# KiCad board Panel.kicad_pcb
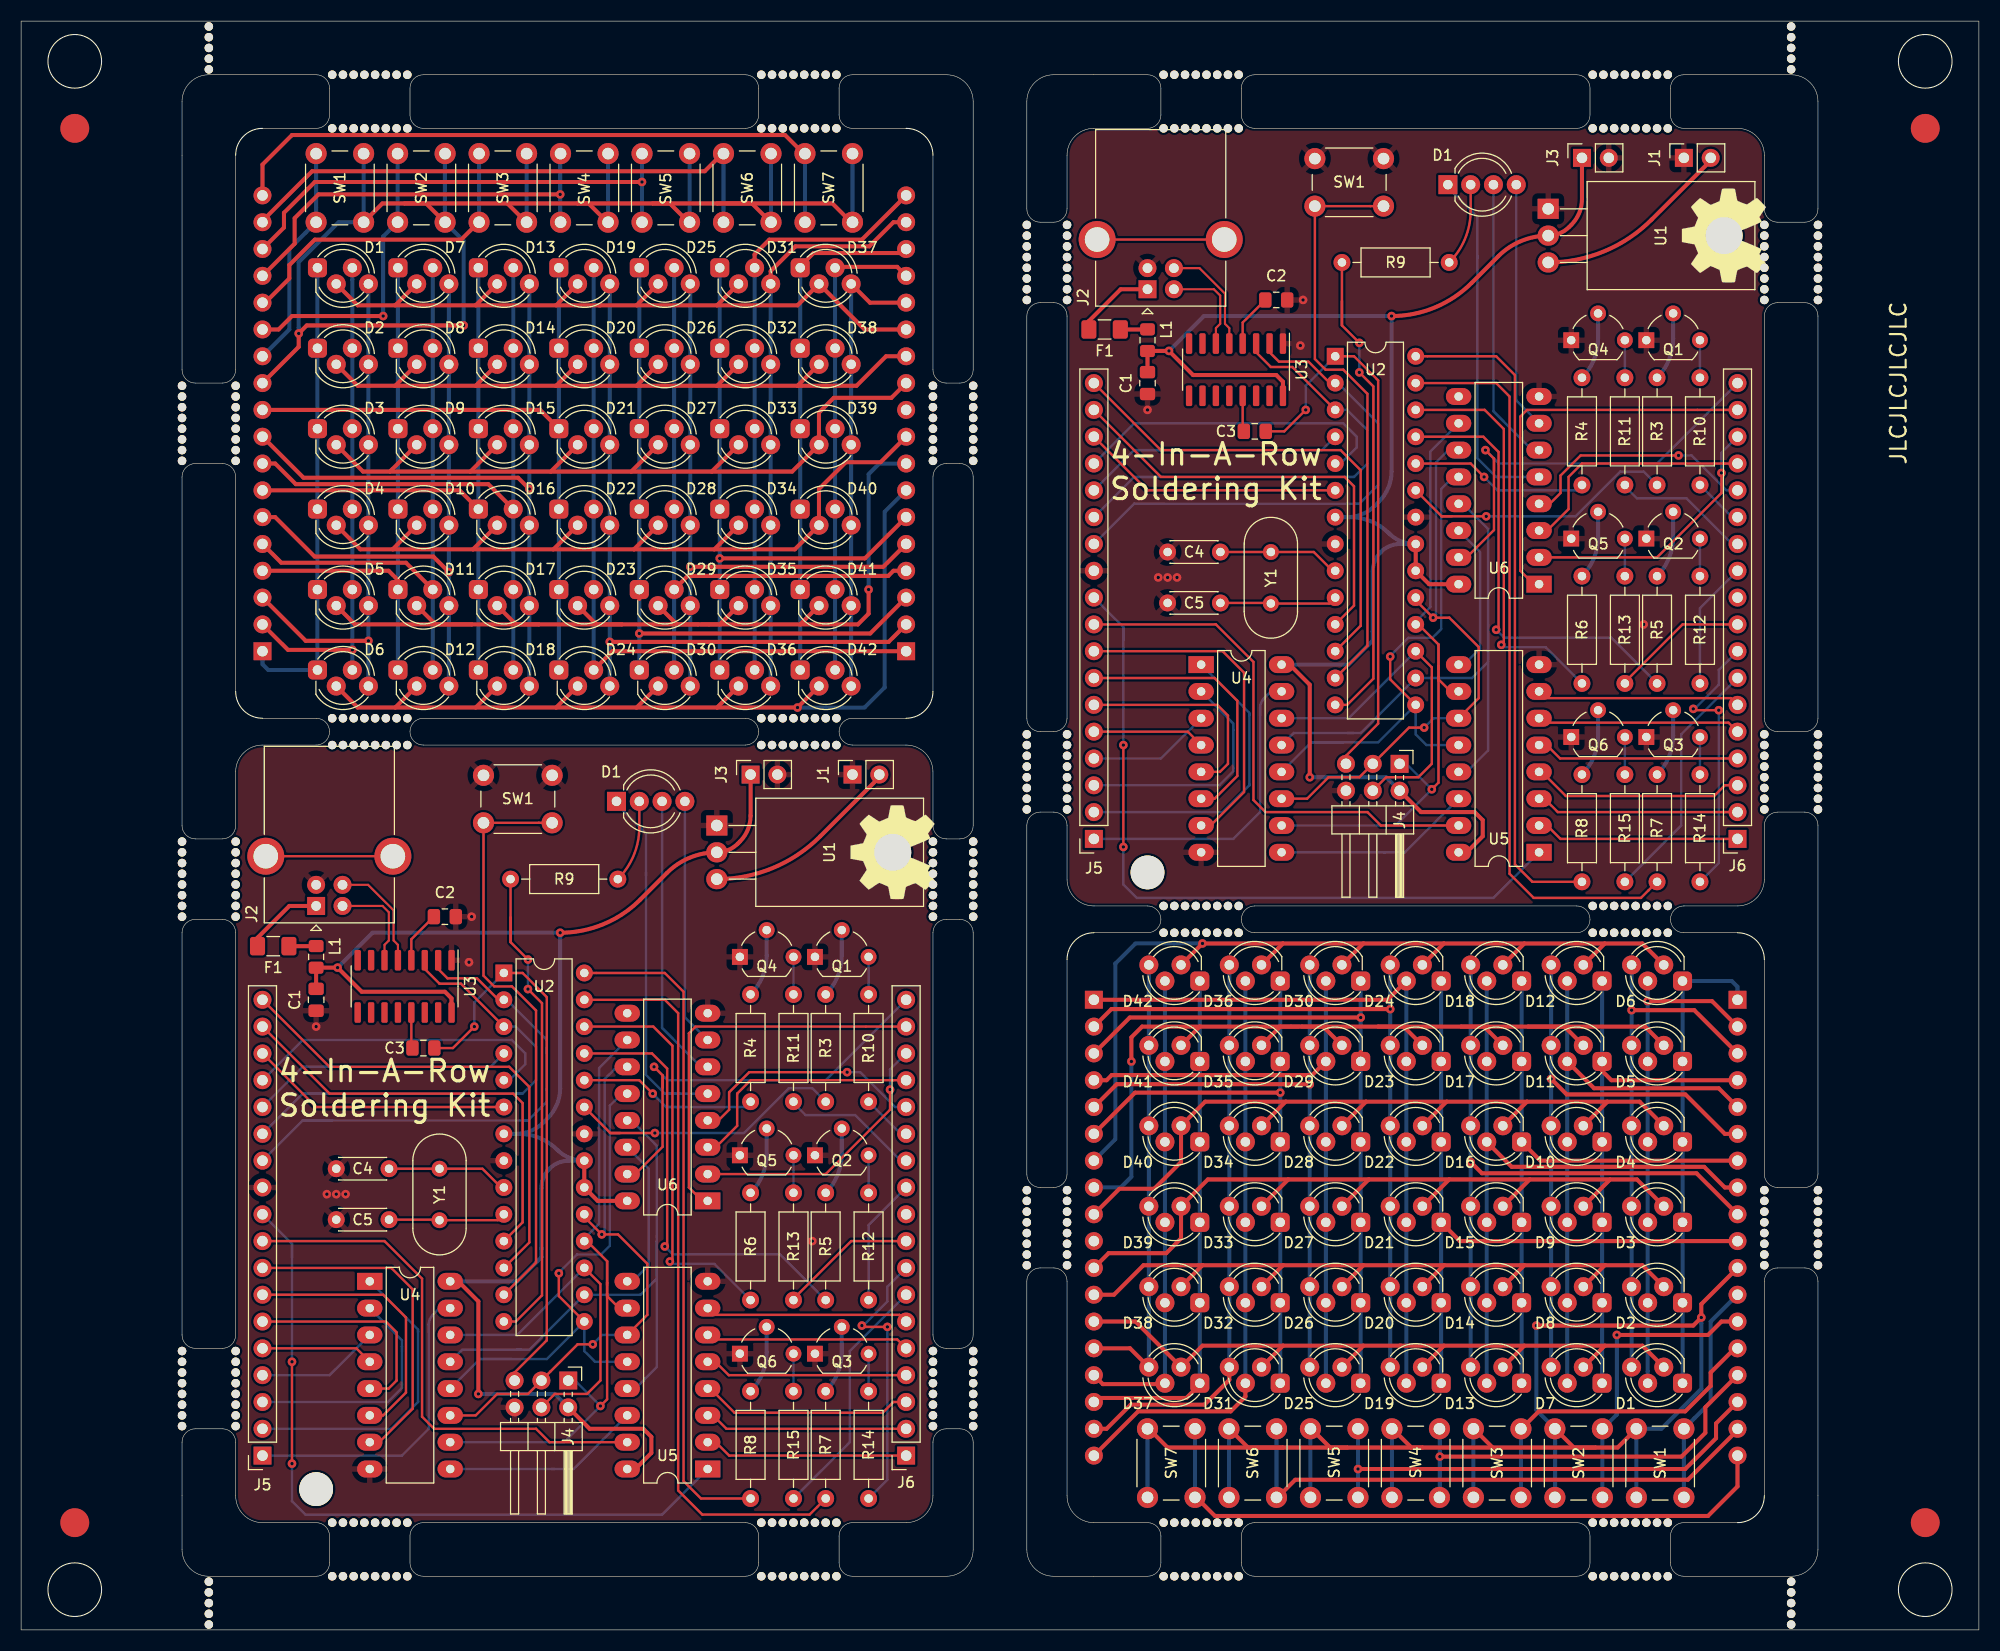
[diagram p0: board, top side]
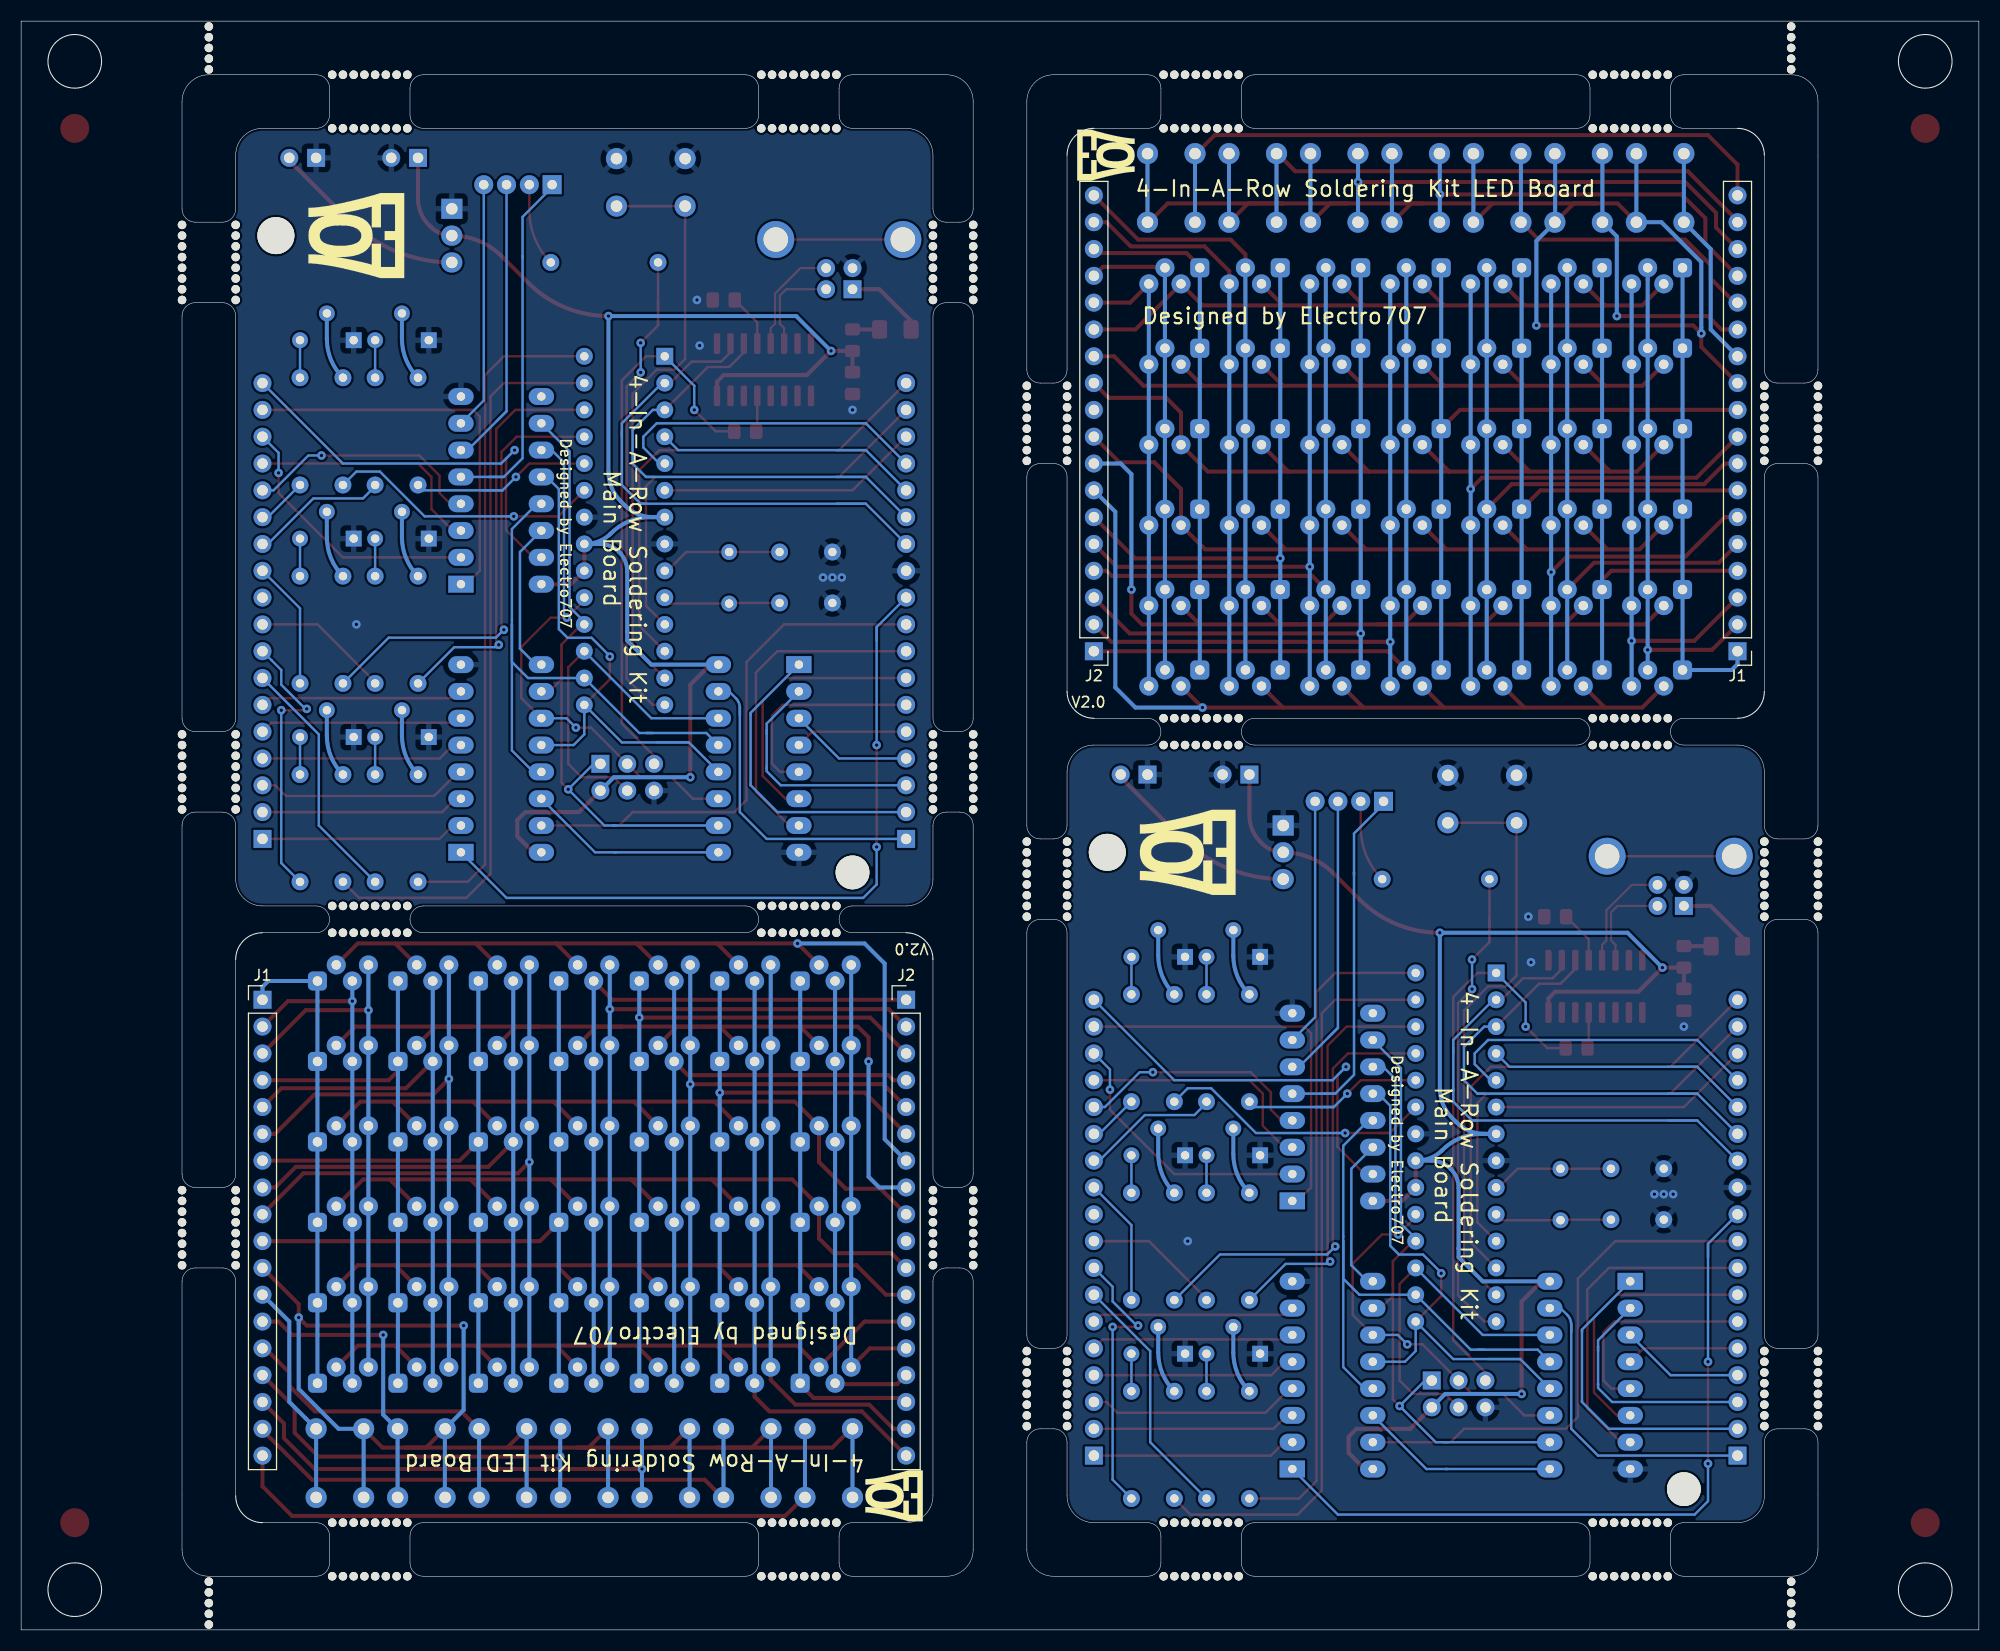
[diagram p1: board, bottom side, seen from below]

Outline 185.42 x 152.4 mm; copper layers: Top, Bottom. Coordinates in mm from the lower left corner of the outline.
Outline path: circle c5.08,148.59 r2.54 ; circle c5.08,3.81 r2.54 ; circle c180.34,148.59 r2.54 ; circle c180.34,3.81 r2.54 ; 0,152.4 0,0 185.42,0 185.42,152.4 0,152.4 ; 15.24,144.78 15.24,119.38 arc(15.61,118.48) 16.51,118.11 19.05,118.11 arc(19.95,118.48) 20.32,119.38 20.32,139.7 arc(21.06,141.5) 22.86,142.24 27.94,142.24 arc(28.84,142.61) 29.21,143.51 29.21,146.05 arc(28.84,146.95) 27.94,147.32 17.78,147.32 arc(15.98,146.58) 15.24,144.78 ; 15.24,109.22 arc(15.61,110.12) 16.51,110.49 19.05,110.49 arc(19.95,110.12) 20.32,109.22 20.32,88.9 arc(21.06,87.1) 22.86,86.36 27.94,86.36 arc(28.84,85.99) 29.21,85.09 arc(28.84,84.19) 27.94,83.82 22.86,83.82 arc(21.06,83.08) 20.32,81.28 20.32,76.2 arc(19.95,75.3) 19.05,74.93 16.51,74.93 arc(15.61,75.3) 15.24,76.2 15.24,109.22 ; 15.24,66.04 15.24,27.94 arc(15.61,27.04) 16.51,26.67 19.05,26.67 arc(19.95,27.04) 20.32,27.94 20.32,66.04 arc(19.95,66.94) 19.05,67.31 16.51,67.31 arc(15.61,66.94) 15.24,66.04 ; 15.24,17.78 arc(15.61,18.68) 16.51,19.05 19.05,19.05 arc(19.95,18.68) 20.32,17.78 20.32,12.7 arc(21.06,10.9) 22.86,10.16 27.94,10.16 arc(28.84,9.79) 29.21,8.89 29.21,6.35 arc(28.84,5.45) 27.94,5.08 17.78,5.08 arc(15.98,5.82) 15.24,7.62 15.24,17.78 ; 36.83,146.05 36.83,143.51 arc(37.2,142.61) 38.1,142.24 68.58,142.24 arc(69.48,142.61) 69.85,143.51 69.85,146.05 arc(69.48,146.95) 68.58,147.32 38.1,147.32 arc(37.2,146.95) 36.83,146.05 ; 36.83,85.09 arc(37.2,85.99) 38.1,86.36 68.58,86.36 arc(69.48,85.99) 69.85,85.09 arc(69.48,84.19) 68.58,83.82 38.1,83.82 arc(37.2,84.19) 36.83,85.09 ; 36.83,8.89 36.83,6.35 arc(37.2,5.45) 38.1,5.08 68.58,5.08 arc(69.48,5.45) 69.85,6.35 69.85,8.89 arc(69.48,9.79) 68.58,10.16 38.1,10.16 arc(37.2,9.79) 36.83,8.89 ; 77.47,146.05 77.47,143.51 arc(77.84,142.61) 78.74,142.24 83.82,142.24 arc(85.62,141.5) 86.36,139.7 86.36,119.38 arc(86.73,118.48) 87.63,118.11 88.9,118.11 arc(89.8,118.48) 90.17,119.38 90.17,144.78 arc(89.43,146.58) 87.63,147.32 78.74,147.32 arc(77.84,146.95) 77.47,146.05 ; 77.47,85.09 arc(77.84,85.99) 78.74,86.36 83.82,86.36 arc(85.62,87.1) 86.36,88.9 86.36,109.22 arc(86.73,110.12) 87.63,110.49 88.9,110.49 arc(89.8,110.12) 90.17,109.22 90.17,76.2 arc(89.8,75.3) 88.9,74.93 87.63,74.93 arc(86.73,75.3) 86.36,76.2 86.36,81.28 arc(85.62,83.08) 83.82,83.82 78.74,83.82 arc(77.84,84.19) 77.47,85.09 ; 77.47,8.89 77.47,6.35 arc(77.84,5.45) 78.74,5.08 87.63,5.08 arc(89.43,5.82) 90.17,7.62 90.17,17.78 arc(89.8,18.68) 88.9,19.05 87.63,19.05 arc(86.73,18.68) 86.36,17.78 86.36,12.7 arc(85.62,10.9) 83.82,10.16 78.74,10.16 arc(77.84,9.79) 77.47,8.89 ; 86.36,66.04 86.36,27.94 arc(86.73,27.04) 87.63,26.67 88.9,26.67 arc(89.8,27.04) 90.17,27.94 90.17,66.04 arc(89.8,66.94) 88.9,67.31 87.63,67.31 arc(86.73,66.94) 86.36,66.04 ; 95.25,144.78 arc(95.99,146.58) 97.79,147.32 106.68,147.32 arc(107.58,146.95) 107.95,146.05 107.95,143.51 arc(107.58,142.61) 106.68,142.24 101.6,142.24 arc(99.8,141.5) 99.06,139.7 99.06,134.62 arc(98.69,133.72) 97.79,133.35 96.52,133.35 arc(95.62,133.72) 95.25,134.62 95.25,144.78 ; 95.25,124.46 arc(95.62,125.36) 96.52,125.73 97.79,125.73 arc(98.69,125.36) 99.06,124.46 99.06,86.36 arc(98.69,85.46) 97.79,85.09 96.52,85.09 arc(95.62,85.46) 95.25,86.36 95.25,124.46 ; 95.25,76.2 95.25,43.18 arc(95.62,42.28) 96.52,41.91 97.79,41.91 arc(98.69,42.28) 99.06,43.18 99.06,63.5 arc(99.8,65.3) 101.6,66.04 106.68,66.04 arc(107.58,66.41) 107.95,67.31 arc(107.58,68.21) 106.68,68.58 101.6,68.58 arc(99.8,69.32) 99.06,71.12 99.06,76.2 arc(98.69,77.1) 97.79,77.47 96.52,77.47 arc(95.62,77.1) 95.25,76.2 ; 95.25,33.02 95.25,7.62 arc(95.99,5.82) 97.79,5.08 106.68,5.08 arc(107.58,5.45) 107.95,6.35 107.95,8.89 arc(107.58,9.79) 106.68,10.16 101.6,10.16 arc(99.8,10.9) 99.06,12.7 99.06,33.02 arc(98.69,33.92) 97.79,34.29 96.52,34.29 arc(95.62,33.92) 95.25,33.02 ; 115.57,146.05 arc(115.94,146.95) 116.84,147.32 147.32,147.32 arc(148.22,146.95) 148.59,146.05 148.59,143.51 arc(148.22,142.61) 147.32,142.24 116.84,142.24 arc(115.94,142.61) 115.57,143.51 115.57,146.05 ; 115.57,67.31 arc(115.94,68.21) 116.84,68.58 147.32,68.58 arc(148.22,68.21) 148.59,67.31 arc(148.22,66.41) 147.32,66.04 116.84,66.04 arc(115.94,66.41) 115.57,67.31 ; 115.57,8.89 arc(115.94,9.79) 116.84,10.16 147.32,10.16 arc(148.22,9.79) 148.59,8.89 148.59,6.35 arc(148.22,5.45) 147.32,5.08 116.84,5.08 arc(115.94,5.45) 115.57,6.35 115.57,8.89 ; 156.21,146.05 arc(156.58,146.95) 157.48,147.32 167.64,147.32 arc(169.44,146.58) 170.18,144.78 170.18,134.62 arc(169.81,133.72) 168.91,133.35 166.37,133.35 arc(165.47,133.72) 165.1,134.62 165.1,139.7 arc(164.36,141.5) 162.56,142.24 157.48,142.24 arc(156.58,142.61) 156.21,143.51 156.21,146.05 ; 156.21,67.31 arc(156.58,68.21) 157.48,68.58 162.56,68.58 arc(164.36,69.32) 165.1,71.12 165.1,76.2 arc(165.47,77.1) 166.37,77.47 168.91,77.47 arc(169.81,77.1) 170.18,76.2 170.18,43.18 arc(169.81,42.28) 168.91,41.91 166.37,41.91 arc(165.47,42.28) 165.1,43.18 165.1,63.5 arc(164.36,65.3) 162.56,66.04 157.48,66.04 arc(156.58,66.41) 156.21,67.31 ; 156.21,8.89 arc(156.58,9.79) 157.48,10.16 162.56,10.16 arc(164.36,10.9) 165.1,12.7 165.1,33.02 arc(165.47,33.92) 166.37,34.29 168.91,34.29 arc(169.81,33.92) 170.18,33.02 170.18,7.62 arc(169.44,5.82) 167.64,5.08 157.48,5.08 arc(156.58,5.45) 156.21,6.35 156.21,8.89 ; 165.1,124.46 arc(165.47,125.36) 166.37,125.73 168.91,125.73 arc(169.81,125.36) 170.18,124.46 170.18,86.36 arc(169.81,85.46) 168.91,85.09 166.37,85.09 arc(165.47,85.46) 165.1,86.36 165.1,124.46
Stack: Top 0.035mm / dielectric 1.51mm FR4 er 4.5 / Bottom 0.035mm

## Placement (name value [footprint] x y rotation side)
C1  100nF  [C_0805_2012Metric_Pad1.18x1.45mm_HandSolder]  106.68 118.11 270 top
C1#2  100nF  [C_0805_2012Metric_Pad1.18x1.45mm_HandSolder]  27.94 59.69 270 top
C2  100nF  [C_0805_2012Metric_Pad1.18x1.45mm_HandSolder]  118.87 125.98 0 top
C2#2  100nF  [C_0805_2012Metric_Pad1.18x1.45mm_HandSolder]  40.13 67.56 0 top
C3  100nF  [C_0805_2012Metric_Pad1.18x1.45mm_HandSolder]  116.84 113.54 180 top
C3#2  100nF  [C_0805_2012Metric_Pad1.18x1.45mm_HandSolder]  38.1 55.12 180 top
C4  22pF  [C_Disc_D4.3mm_W1.9mm_P5.00mm]  108.58 102.11 0 top
C4#2  22pF  [C_Disc_D4.3mm_W1.9mm_P5.00mm]  29.84 43.69 0 top
C5  22pF  [C_Disc_D4.3mm_W1.9mm_P5.00mm]  29.84 38.86 0 top
C5#2  22pF  [C_Disc_D4.3mm_W1.9mm_P5.00mm]  108.58 97.28 0 top
D1  LED_RCGB  [LED_D5.0mm-4_RGB_Wide_Pins]  56.39 78.49 0 top
D1#2  LED_RCGB  [LED_D5.0mm-4_RGB_Staggered_Pins]  28.07 129.03 0 top
D1#3  LED_RCGB  [LED_D5.0mm-4_RGB_Wide_Pins]  135.13 136.91 0 top
D1#4  LED_RCGB  [LED_D5.0mm-4_RGB_Staggered_Pins]  157.35 23.37 180 top
D2  LED_RCGB  [LED_D5.0mm-4_RGB_Staggered_Pins]  157.35 30.99 180 top
D2#2  LED_RCGB  [LED_D5.0mm-4_RGB_Staggered_Pins]  28.07 121.41 0 top
D3  LED_RCGB  [LED_D5.0mm-4_RGB_Staggered_Pins]  157.35 38.61 180 top
D3#2  LED_RCGB  [LED_D5.0mm-4_RGB_Staggered_Pins]  28.07 113.79 0 top
D4  LED_RCGB  [LED_D5.0mm-4_RGB_Staggered_Pins]  28.07 106.17 0 top
D4#2  LED_RCGB  [LED_D5.0mm-4_RGB_Staggered_Pins]  157.35 46.23 180 top
D5  LED_RCGB  [LED_D5.0mm-4_RGB_Staggered_Pins]  157.35 53.85 180 top
D5#2  LED_RCGB  [LED_D5.0mm-4_RGB_Staggered_Pins]  28.07 98.55 0 top
D6  LED_RCGB  [LED_D5.0mm-4_RGB_Staggered_Pins]  28.07 90.93 0 top
D6#2  LED_RCGB  [LED_D5.0mm-4_RGB_Staggered_Pins]  157.35 61.47 180 top
D7  LED_RCGB  [LED_D5.0mm-4_RGB_Staggered_Pins]  149.73 23.37 180 top
D7#2  LED_RCGB  [LED_D5.0mm-4_RGB_Staggered_Pins]  35.69 129.03 0 top
D8  LED_RCGB  [LED_D5.0mm-4_RGB_Staggered_Pins]  149.73 30.99 180 top
D8#2  LED_RCGB  [LED_D5.0mm-4_RGB_Staggered_Pins]  35.69 121.41 0 top
D9  LED_RCGB  [LED_D5.0mm-4_RGB_Staggered_Pins]  149.73 38.61 180 top
D9#2  LED_RCGB  [LED_D5.0mm-4_RGB_Staggered_Pins]  35.69 113.79 0 top
D10  LED_RCGB  [LED_D5.0mm-4_RGB_Staggered_Pins]  35.69 106.17 0 top
D10#2  LED_RCGB  [LED_D5.0mm-4_RGB_Staggered_Pins]  149.73 46.23 180 top
D11  LED_RCGB  [LED_D5.0mm-4_RGB_Staggered_Pins]  149.73 53.85 180 top
D11#2  LED_RCGB  [LED_D5.0mm-4_RGB_Staggered_Pins]  35.69 98.55 0 top
D12  LED_RCGB  [LED_D5.0mm-4_RGB_Staggered_Pins]  149.73 61.47 180 top
D12#2  LED_RCGB  [LED_D5.0mm-4_RGB_Staggered_Pins]  35.69 90.93 0 top
D13  LED_RCGB  [LED_D5.0mm-4_RGB_Staggered_Pins]  43.31 129.03 0 top
D13#2  LED_RCGB  [LED_D5.0mm-4_RGB_Staggered_Pins]  142.11 23.37 180 top
D14  LED_RCGB  [LED_D5.0mm-4_RGB_Staggered_Pins]  43.31 121.41 0 top
D14#2  LED_RCGB  [LED_D5.0mm-4_RGB_Staggered_Pins]  142.11 30.99 180 top
D15  LED_RCGB  [LED_D5.0mm-4_RGB_Staggered_Pins]  43.31 113.79 0 top
D15#2  LED_RCGB  [LED_D5.0mm-4_RGB_Staggered_Pins]  142.11 38.61 180 top
D16  LED_RCGB  [LED_D5.0mm-4_RGB_Staggered_Pins]  43.31 106.17 0 top
D16#2  LED_RCGB  [LED_D5.0mm-4_RGB_Staggered_Pins]  142.11 46.23 180 top
D17  LED_RCGB  [LED_D5.0mm-4_RGB_Staggered_Pins]  43.31 98.55 0 top
D17#2  LED_RCGB  [LED_D5.0mm-4_RGB_Staggered_Pins]  142.11 53.85 180 top
D18  LED_RCGB  [LED_D5.0mm-4_RGB_Staggered_Pins]  142.11 61.47 180 top
D18#2  LED_RCGB  [LED_D5.0mm-4_RGB_Staggered_Pins]  43.31 90.93 0 top
D19  LED_RCGB  [LED_D5.0mm-4_RGB_Staggered_Pins]  134.49 23.37 180 top
D19#2  LED_RCGB  [LED_D5.0mm-4_RGB_Staggered_Pins]  50.93 129.03 0 top
D20  LED_RCGB  [LED_D5.0mm-4_RGB_Staggered_Pins]  134.49 30.99 180 top
D20#2  LED_RCGB  [LED_D5.0mm-4_RGB_Staggered_Pins]  50.93 121.41 0 top
D21  LED_RCGB  [LED_D5.0mm-4_RGB_Staggered_Pins]  134.49 38.61 180 top
D21#2  LED_RCGB  [LED_D5.0mm-4_RGB_Staggered_Pins]  50.93 113.79 0 top
D22  LED_RCGB  [LED_D5.0mm-4_RGB_Staggered_Pins]  50.93 106.17 0 top
D22#2  LED_RCGB  [LED_D5.0mm-4_RGB_Staggered_Pins]  134.49 46.23 180 top
D23  LED_RCGB  [LED_D5.0mm-4_RGB_Staggered_Pins]  134.49 53.85 180 top
D23#2  LED_RCGB  [LED_D5.0mm-4_RGB_Staggered_Pins]  50.93 98.55 0 top
D24  LED_RCGB  [LED_D5.0mm-4_RGB_Staggered_Pins]  50.93 90.93 0 top
D24#2  LED_RCGB  [LED_D5.0mm-4_RGB_Staggered_Pins]  134.49 61.47 180 top
D25  LED_RCGB  [LED_D5.0mm-4_RGB_Staggered_Pins]  58.55 129.03 0 top
D25#2  LED_RCGB  [LED_D5.0mm-4_RGB_Staggered_Pins]  126.87 23.37 180 top
D26  LED_RCGB  [LED_D5.0mm-4_RGB_Staggered_Pins]  126.87 30.99 180 top
D26#2  LED_RCGB  [LED_D5.0mm-4_RGB_Staggered_Pins]  58.55 121.41 0 top
D27  LED_RCGB  [LED_D5.0mm-4_RGB_Staggered_Pins]  126.87 38.61 180 top
D27#2  LED_RCGB  [LED_D5.0mm-4_RGB_Staggered_Pins]  58.55 113.79 0 top
D28  LED_RCGB  [LED_D5.0mm-4_RGB_Staggered_Pins]  126.87 46.23 180 top
D28#2  LED_RCGB  [LED_D5.0mm-4_RGB_Staggered_Pins]  58.55 106.17 0 top
D29  LED_RCGB  [LED_D5.0mm-4_RGB_Staggered_Pins]  58.55 98.55 0 top
D29#2  LED_RCGB  [LED_D5.0mm-4_RGB_Staggered_Pins]  126.87 53.85 180 top
D30  LED_RCGB  [LED_D5.0mm-4_RGB_Staggered_Pins]  58.55 90.93 0 top
D30#2  LED_RCGB  [LED_D5.0mm-4_RGB_Staggered_Pins]  126.87 61.47 180 top
D31  LED_RCGB  [LED_D5.0mm-4_RGB_Staggered_Pins]  119.25 23.37 180 top
D31#2  LED_RCGB  [LED_D5.0mm-4_RGB_Staggered_Pins]  66.17 129.03 0 top
D32  LED_RCGB  [LED_D5.0mm-4_RGB_Staggered_Pins]  119.25 30.99 180 top
D32#2  LED_RCGB  [LED_D5.0mm-4_RGB_Staggered_Pins]  66.17 121.41 0 top
D33  LED_RCGB  [LED_D5.0mm-4_RGB_Staggered_Pins]  119.25 38.61 180 top
D33#2  LED_RCGB  [LED_D5.0mm-4_RGB_Staggered_Pins]  66.17 113.79 0 top
D34  LED_RCGB  [LED_D5.0mm-4_RGB_Staggered_Pins]  66.17 106.17 0 top
D34#2  LED_RCGB  [LED_D5.0mm-4_RGB_Staggered_Pins]  119.25 46.23 180 top
D35  LED_RCGB  [LED_D5.0mm-4_RGB_Staggered_Pins]  66.17 98.55 0 top
D35#2  LED_RCGB  [LED_D5.0mm-4_RGB_Staggered_Pins]  119.25 53.85 180 top
D36  LED_RCGB  [LED_D5.0mm-4_RGB_Staggered_Pins]  66.17 90.93 0 top
D36#2  LED_RCGB  [LED_D5.0mm-4_RGB_Staggered_Pins]  119.25 61.47 180 top
D37  LED_RCGB  [LED_D5.0mm-4_RGB_Staggered_Pins]  111.63 23.37 180 top
D37#2  LED_RCGB  [LED_D5.0mm-4_RGB_Staggered_Pins]  73.79 129.03 0 top
D38  LED_RCGB  [LED_D5.0mm-4_RGB_Staggered_Pins]  111.63 30.99 180 top
D38#2  LED_RCGB  [LED_D5.0mm-4_RGB_Staggered_Pins]  73.79 121.41 0 top
D39  LED_RCGB  [LED_D5.0mm-4_RGB_Staggered_Pins]  111.63 38.61 180 top
D39#2  LED_RCGB  [LED_D5.0mm-4_RGB_Staggered_Pins]  73.79 113.79 0 top
D40  LED_RCGB  [LED_D5.0mm-4_RGB_Staggered_Pins]  111.63 46.23 180 top
D40#2  LED_RCGB  [LED_D5.0mm-4_RGB_Staggered_Pins]  73.79 106.17 0 top
D41  LED_RCGB  [LED_D5.0mm-4_RGB_Staggered_Pins]  73.79 98.55 0 top
D41#2  LED_RCGB  [LED_D5.0mm-4_RGB_Staggered_Pins]  111.63 53.85 180 top
D42  LED_RCGB  [LED_D5.0mm-4_RGB_Staggered_Pins]  73.79 90.93 0 top
D42#2  LED_RCGB  [LED_D5.0mm-4_RGB_Staggered_Pins]  111.63 61.47 180 top
F1  Polyfuse  [Fuse_1206_3216Metric_Pad1.42x1.75mm_HandSolder]  23.88 64.77 180 top
F1#2  Polyfuse  [Fuse_1206_3216Metric_Pad1.42x1.75mm_HandSolder]  102.62 123.19 180 top
G***  LOGO  [new_707_logo_6x6.6]  82.68 139.7 90 bottom
G***#2  LOGO  [new_707_logo_6x6.6]  102.74 12.7 270 bottom
G***#3  LOGO  [new_707_logo_10x11]  153.67 132.08 270 bottom
G***#4  LOGO  [new_707_logo_10x11]  74.93 73.66 270 bottom
H1  MountingHole  [MountingHole_3.2mm_M3_DIN965]  27.94 13.34 0 top
H1#2  MountingHole  [MountingHole_3.2mm_M3_DIN965]  106.68 71.75 0 top
J1  Conn_01x02  [PinSocket_1x02_P2.54mm_Vertical]  78.74 81.03 90 top
J1#2  Conn_01x02  [PinSocket_1x02_P2.54mm_Vertical]  157.48 139.45 90 top
J1#3  Conn_01x18_Male  [PinHeader_1x18_P2.54mm_Vertical]  162.56 59.69 180 bottom
J1#4  Conn_01x18_Male  [PinHeader_1x18_P2.54mm_Vertical]  22.86 92.71 0 bottom
J2  USB_B  [USB_B_OST_USB-B1HSxx_Horizontal]  27.94 68.58 90 top
J2#2  USB_B  [USB_B_OST_USB-B1HSxx_Horizontal]  106.68 127 90 top
J2#3  Conn_01x18_Male  [PinHeader_1x18_P2.54mm_Vertical]  101.6 59.69 180 bottom
J2#4  Conn_01x18_Male  [PinHeader_1x18_P2.54mm_Vertical]  83.82 92.71 0 bottom
J3  Conn_01x02  [PinSocket_1x02_P2.54mm_Vertical]  69.09 81.03 90 top
J3#2  Conn_01x02  [PinSocket_1x02_P2.54mm_Vertical]  147.83 139.45 90 top
J4  AVR-ISP-6  [PinHeader_2x03_P2.54mm_Horizontal]  51.82 23.62 270 top
J4#2  AVR-ISP-6  [PinHeader_2x03_P2.54mm_Horizontal]  130.56 82.04 270 top
J5  Conn_01x18_Female  [PinSocket_1x18_P2.54mm_Vertical]  22.86 16.51 180 top
J5#2  Conn_01x18_Female  [PinSocket_1x18_P2.54mm_Vertical]  101.6 74.93 180 top
J6  Conn_01x18_Female  [PinSocket_1x18_P2.54mm_Vertical]  83.82 16.51 180 top
J6#2  Conn_01x18_Female  [PinSocket_1x18_P2.54mm_Vertical]  162.56 74.93 180 top
L1  BLM21AG102SN1D  [L_0805_2012Metric_Pad1.15x1.40mm_HandSolder]  106.68 122.17 90 top
L1#2  BLM21AG102SN1D  [L_0805_2012Metric_Pad1.15x1.40mm_HandSolder]  27.94 63.75 90 top
NOREF  -  [unnamed]  167.64 149.86 0 top
NOREF#2  -  [unnamed]  167.64 148.84 0 top
NOREF#3  -  [unnamed]  167.64 1.52 0 top
NOREF#4  -  [unnamed]  167.64 4.57 0 top
NOREF#5  -  [unnamed]  167.64 0.51 0 top
NOREF#6  -  [unnamed]  17.78 1.52 0 top
NOREF#7  -  [unnamed]  17.78 148.84 0 top
NOREF#8  -  [unnamed]  167.64 147.83 0 top
NOREF#9  -  [unnamed]  17.78 150.88 0 top
NOREF#10  -  [unnamed]  167.64 2.54 0 top
NOREF#11  -  [unnamed]  17.78 4.57 0 top
NOREF#12  -  [unnamed]  17.78 0.51 0 top
NOREF#13  -  [unnamed]  17.78 147.83 0 top
NOREF#14  -  [unnamed]  17.78 2.54 0 top
NOREF#15  -  [unnamed]  167.64 151.89 0 top
NOREF#16  -  [unnamed]  17.78 3.56 0 top
NOREF#17  -  [unnamed]  17.78 149.86 0 top
NOREF#18  -  [unnamed]  17.78 151.89 0 top
NOREF#19  -  [unnamed]  167.64 3.56 0 top
NOREF#20  -  [unnamed]  167.64 150.88 0 top
Q1  2N3904  [TO-92_Wide]  75.18 63.75 0 top
Q1#2  2N3904  [TO-92_Wide]  153.92 122.17 0 top
Q2  2N3904  [TO-92_Wide]  75.18 44.96 0 top
Q2#2  2N3904  [TO-92_Wide]  153.92 103.38 0 top
Q3  2N3904  [TO-92_Wide]  153.92 84.58 0 top
Q3#2  2N3904  [TO-92_Wide]  75.18 26.16 0 top
Q4  2N3904  [TO-92_Wide]  68.07 63.75 0 top
Q4#2  2N3904  [TO-92_Wide]  146.81 122.17 0 top
Q5  2N3904  [TO-92_Wide]  68.07 44.96 0 top
Q5#2  2N3904  [TO-92_Wide]  146.81 103.38 0 top
Q6  2N3904  [TO-92_Wide]  146.81 84.58 0 top
Q6#2  2N3904  [TO-92_Wide]  68.07 26.16 0 top
R3  1k  [R_Axial_DIN0207_L6.3mm_D2.5mm_P10.16mm_Horizontal]  76.2 60.2 270 top
R3#2  1k  [R_Axial_DIN0207_L6.3mm_D2.5mm_P10.16mm_Horizontal]  154.94 118.62 270 top
R4  1k  [R_Axial_DIN0207_L6.3mm_D2.5mm_P10.16mm_Horizontal]  147.83 118.62 270 top
R4#2  1k  [R_Axial_DIN0207_L6.3mm_D2.5mm_P10.16mm_Horizontal]  69.09 60.2 270 top
R5  1k  [R_Axial_DIN0207_L6.3mm_D2.5mm_P10.16mm_Horizontal]  154.94 99.82 270 top
R5#2  1k  [R_Axial_DIN0207_L6.3mm_D2.5mm_P10.16mm_Horizontal]  76.2 41.4 270 top
R6  1k  [R_Axial_DIN0207_L6.3mm_D2.5mm_P10.16mm_Horizontal]  69.09 41.4 270 top
R6#2  1k  [R_Axial_DIN0207_L6.3mm_D2.5mm_P10.16mm_Horizontal]  147.83 99.82 270 top
R7  1k  [R_Axial_DIN0207_L6.3mm_D2.5mm_P10.16mm_Horizontal]  76.2 22.61 270 top
R7#2  1k  [R_Axial_DIN0207_L6.3mm_D2.5mm_P10.16mm_Horizontal]  154.94 81.03 270 top
R8  1k  [R_Axial_DIN0207_L6.3mm_D2.5mm_P10.16mm_Horizontal]  69.09 22.61 270 top
R8#2  1k  [R_Axial_DIN0207_L6.3mm_D2.5mm_P10.16mm_Horizontal]  147.83 81.03 270 top
R9  330  [R_Axial_DIN0207_L6.3mm_D2.5mm_P10.16mm_Horizontal]  135.25 129.54 180 top
R9#2  330  [R_Axial_DIN0207_L6.3mm_D2.5mm_P10.16mm_Horizontal]  56.52 71.12 180 top
R10  100  [R_Axial_DIN0207_L6.3mm_D2.5mm_P10.16mm_Horizontal]  80.26 50.04 90 top
R10#2  100  [R_Axial_DIN0207_L6.3mm_D2.5mm_P10.16mm_Horizontal]  159 108.46 90 top
R11  100  [R_Axial_DIN0207_L6.3mm_D2.5mm_P10.16mm_Horizontal]  151.89 108.46 90 top
R11#2  100  [R_Axial_DIN0207_L6.3mm_D2.5mm_P10.16mm_Horizontal]  73.15 50.04 90 top
R12  100  [R_Axial_DIN0207_L6.3mm_D2.5mm_P10.16mm_Horizontal]  159 89.66 90 top
R12#2  100  [R_Axial_DIN0207_L6.3mm_D2.5mm_P10.16mm_Horizontal]  80.26 31.24 90 top
R13  100  [R_Axial_DIN0207_L6.3mm_D2.5mm_P10.16mm_Horizontal]  73.15 31.24 90 top
R13#2  100  [R_Axial_DIN0207_L6.3mm_D2.5mm_P10.16mm_Horizontal]  151.89 89.66 90 top
R14  100  [R_Axial_DIN0207_L6.3mm_D2.5mm_P10.16mm_Horizontal]  159 70.87 90 top
R14#2  100  [R_Axial_DIN0207_L6.3mm_D2.5mm_P10.16mm_Horizontal]  80.26 12.45 90 top
R15  100  [R_Axial_DIN0207_L6.3mm_D2.5mm_P10.16mm_Horizontal]  151.89 70.87 90 top
R15#2  100  [R_Axial_DIN0207_L6.3mm_D2.5mm_P10.16mm_Horizontal]  73.15 12.45 90 top
REF**  -  [0.8mm-Drill]  165.1 36.58 90 top
REF**#2  -  [0.8mm-Drill]  72.14 142.24 0 top
REF**#3  -  [0.8mm-Drill]  74.17 86.36 0 top
REF**#4  -  [0.8mm-Drill]  15.24 73.66 90 top
REF**#5  -  [0.8mm-Drill]  95.25 81.79 90 top
REF**#6  -  [0.8mm-Drill]  99.06 41.66 90 top
REF**#7  -  [0.8mm-Drill]  90.17 26.42 90 top
REF**#8  -  [0.8mm-Drill]  95.25 39.62 90 top
REF**#9  -  [0.8mm-Drill]  86.36 72.64 90 top
REF**#10  -  [0.8mm-Drill]  36.58 5.08 0 top
REF**#11  -  [0.8mm-Drill]  35.56 147.32 0 top
REF**#12  -  [0.8mm-Drill]  110.24 66.04 0 top
REF**#13  -  [0.8mm-Drill]  99.06 37.59 90 top
REF**#14  -  [0.8mm-Drill]  86.36 113.79 90 top
REF**#15  -  [0.8mm-Drill]  165.1 127 90 top
REF**#16  -  [0.8mm-Drill]  77.22 10.16 0 top
REF**#17  -  [0.8mm-Drill]  99.06 83.82 90 top
REF**#18  -  [0.8mm-Drill]  15.24 22.35 90 top
REF**#19  -  [0.8mm-Drill]  71.12 5.08 0 top
REF**#20  -  [0.8mm-Drill]  170.18 130.05 90 top
REF**#21  -  [0.8mm-Drill]  154.94 66.04 0 top
REF**#22  -  [0.8mm-Drill]  90.17 113.79 90 top
REF**#23  -  [0.8mm-Drill]  165.1 39.62 90 top
REF**#24  -  [0.8mm-Drill]  114.3 147.32 0 top
REF**#25  -  [0.8mm-Drill]  109.22 147.32 0 top
REF**#26  -  [0.8mm-Drill]  32.51 5.08 0 top
REF**#27  -  [0.8mm-Drill]  86.36 73.66 90 top
REF**#28  -  [0.8mm-Drill]  32.51 142.24 0 top
REF**#29  -  [0.8mm-Drill]  90.17 19.3 90 top
REF**#30  -  [0.8mm-Drill]  153.92 5.08 0 top
REF**#31  -  [0.8mm-Drill]  115.32 68.58 0 top
REF**#32  -  [0.8mm-Drill]  170.18 38.61 90 top
REF**#33  -  [0.8mm-Drill]  115.32 147.32 0 top
REF**#34  -  [0.8mm-Drill]  86.36 22.35 90 top
REF**#35  -  [0.8mm-Drill]  32.51 10.16 0 top
REF**#36  -  [0.8mm-Drill]  151.89 10.16 0 top
REF**#37  -  [0.8mm-Drill]  95.25 127 90 top
REF**#38  -  [0.8mm-Drill]  71.12 83.82 0 top
REF**#39  -  [0.8mm-Drill]  36.58 10.16 0 top
REF**#40  -  [0.8mm-Drill]  108.2 5.08 0 top
REF**#41  -  [0.8mm-Drill]  90.17 110.74 90 top
REF**#42  -  [0.8mm-Drill]  30.48 10.16 0 top
REF**#43  -  [0.8mm-Drill]  109.22 66.04 0 top
REF**#44  -  [0.8mm-Drill]  86.36 70.61 90 top
REF**#45  -  [0.8mm-Drill]  113.28 5.08 0 top
REF**#46  -  [0.8mm-Drill]  99.06 129.03 90 top
REF**#47  -  [0.8mm-Drill]  108.2 66.04 0 top
REF**#48  -  [0.8mm-Drill]  36.58 147.32 0 top
REF**#49  -  [0.8mm-Drill]  110.24 10.16 0 top
REF**#50  -  [0.8mm-Drill]  165.1 41.66 90 top
REF**#51  -  [0.8mm-Drill]  148.84 10.16 0 top
REF**#52  -  [0.8mm-Drill]  90.17 25.4 90 top
REF**#53  -  [0.8mm-Drill]  165.1 132.08 90 top
REF**#54  -  [0.8mm-Drill]  99.06 127 90 top
REF**#55  -  [0.8mm-Drill]  152.91 68.58 0 top
REF**#56  -  [0.8mm-Drill]  86.36 23.37 90 top
REF**#57  -  [0.8mm-Drill]  86.36 25.4 90 top
REF**#58  -  [0.8mm-Drill]  32.51 147.32 0 top
REF**#59  -  [0.8mm-Drill]  86.36 111.76 90 top
REF**#60  -  [0.8mm-Drill]  170.18 40.64 90 top
REF**#61  -  [0.8mm-Drill]  20.32 114.81 90 top
REF**#62  -  [0.8mm-Drill]  155.96 5.08 0 top
REF**#63  -  [0.8mm-Drill]  73.15 86.36 0 top
REF**#64  -  [0.8mm-Drill]  165.1 129.03 90 top
REF**#65  -  [0.8mm-Drill]  20.32 69.6 90 top
REF**#66  -  [0.8mm-Drill]  151.89 68.58 0 top
REF**#67  -  [0.8mm-Drill]  15.24 26.42 90 top
REF**#68  -  [0.8mm-Drill]  77.22 83.82 0 top
REF**#69  -  [0.8mm-Drill]  86.36 114.81 90 top
REF**#70  -  [0.8mm-Drill]  99.06 132.08 90 top
REF**#71  -  [0.8mm-Drill]  33.53 5.08 0 top
REF**#72  -  [0.8mm-Drill]  29.46 5.08 0 top
REF**#73  -  [0.8mm-Drill]  15.24 115.82 90 top
REF**#74  -  [0.8mm-Drill]  95.25 79.76 90 top
REF**#75  -  [0.8mm-Drill]  109.22 142.24 0 top
REF**#76  -  [0.8mm-Drill]  30.48 142.24 0 top
REF**#77  -  [0.8mm-Drill]  153.92 142.24 0 top
REF**#78  -  [0.8mm-Drill]  86.36 19.3 90 top
REF**#79  -  [0.8mm-Drill]  90.17 111.76 90 top
REF**#80  -  [0.8mm-Drill]  90.17 112.78 90 top
REF**#81  -  [0.8mm-Drill]  99.06 82.8 90 top
REF**#82  -  [0.8mm-Drill]  95.25 34.54 90 top
REF**#83  -  [OSHW-Symbol_8.9x8mm_SilkScreen]  161.29 132.08 90 top
REF**#84  -  [0.8mm-Drill]  86.36 117.86 90 top
REF**#85  -  [0.8mm-Drill]  35.56 86.36 0 top
REF**#86  -  [0.8mm-Drill]  70.1 83.82 0 top
REF**#87  -  [0.8mm-Drill]  31.5 10.16 0 top
REF**#88  -  [0.8mm-Drill]  72.14 10.16 0 top
REF**#89  -  [0.8mm-Drill]  155.96 142.24 0 top
REF**#90  -  [0.8mm-Drill]  34.54 142.24 0 top
REF**#91  -  [0.8mm-Drill]  15.24 70.61 90 top
REF**#92  -  [0.8mm-Drill]  71.12 10.16 0 top
REF**#93  -  [0.8mm-Drill]  35.56 83.82 0 top
REF**#94  -  [0.8mm-Drill]  20.32 117.86 90 top
REF**#95  -  [0.8mm-Drill]  90.17 116.84 90 top
REF**#96  -  [0.8mm-Drill]  90.17 67.56 90 top
REF**#97  -  [0.8mm-Drill]  95.25 82.8 90 top
REF**#98  -  [0.8mm-Drill]  20.32 22.35 90 top
REF**#99  -  [0.8mm-Drill]  95.25 125.98 90 top
REF**#100  -  [0.8mm-Drill]  99.06 34.54 90 top
REF**#101  -  [0.8mm-Drill]  149.86 66.04 0 top
REF**#102  -  [0.8mm-Drill]  155.96 10.16 0 top
REF**#103  -  [0.8mm-Drill]  112.27 142.24 0 top
REF**#104  -  [0.8mm-Drill]  110.24 142.24 0 top
REF**#105  -  [0.8mm-Drill]  109.22 68.58 0 top
REF**#106  -  [0.8mm-Drill]  77.22 86.36 0 top
REF**#107  -  [0.8mm-Drill]  170.18 133.1 90 top
REF**#108  -  [0.8mm-Drill]  170.18 83.82 90 top
REF**#109  -  [0.8mm-Drill]  109.22 10.16 0 top
REF**#110  -  [0.8mm-Drill]  111.25 5.08 0 top
REF**#111  -  [0.8mm-Drill]  73.15 10.16 0 top
REF**#112  -  [0.8mm-Drill]  20.32 68.58 90 top
REF**#113  -  [0.8mm-Drill]  77.22 142.24 0 top
REF**#114  -  [0.8mm-Drill]  99.06 40.64 90 top
REF**#115  -  [0.8mm-Drill]  90.17 115.82 90 top
REF**#116  -  [0.8mm-Drill]  113.28 10.16 0 top
REF**#117  -  [0.8mm-Drill]  152.91 10.16 0 top
REF**#118  -  [0.8mm-Drill]  70.1 10.16 0 top
REF**#119  -  [0.8mm-Drill]  170.18 34.54 90 top
REF**#120  -  [0.8mm-Drill]  90.17 21.34 90 top
REF**#121  -  [0.8mm-Drill]  35.56 10.16 0 top
REF**#122  -  [0.8mm-Drill]  74.17 83.82 0 top
REF**#123  -  [0.8mm-Drill]  114.3 68.58 0 top
REF**#124  -  [0.8mm-Drill]  111.25 10.16 0 top
REF**#125  -  [0.8mm-Drill]  95.25 131.06 90 top
REF**#126  -  [0.8mm-Drill]  95.25 78.74 90 top
REF**#127  -  [0.8mm-Drill]  31.5 142.24 0 top
REF**#128  -  [0.8mm-Drill]  165.1 35.56 90 top
REF**#129  -  [0.8mm-Drill]  170.18 128.02 90 top
REF**#130  -  [OSHW-Symbol_8.9x8mm_SilkScreen]  82.55 73.66 90 top
REF**#131  -  [0.8mm-Drill]  95.25 37.59 90 top
REF**#132  -  [0.8mm-Drill]  74.17 142.24 0 top
REF**#133  -  [0.8mm-Drill]  75.18 86.36 0 top
REF**#134  -  [0.8mm-Drill]  74.17 147.32 0 top
REF**#135  -  [0.8mm-Drill]  73.15 5.08 0 top
REF**#136  -  [0.8mm-Drill]  32.51 83.82 0 top
REF**#137  -  [0.8mm-Drill]  152.91 5.08 0 top
REF**#138  -  [0.8mm-Drill]  90.17 69.6 90 top
REF**#139  -  [0.8mm-Drill]  20.32 26.42 90 top
REF**#140  -  [0.8mm-Drill]  95.25 128.02 90 top
REF**#141  -  [0.8mm-Drill]  70.1 142.24 0 top